# Altium PCB Production_v4.PcbDoc (part 1 of 3)
Units mil, origin at the board's own origin, x right, y up, seen from the top; angles counter-clockwise.
Board outline 7165 x 20545 mil, 4 copper layers (Top Layer, Mid-Layer 1, Mid-Layer 2, Bottom Layer), stack 30.6 mil thick; 72 components, 127 nets, 3500 pads, 124 vias.
Unrouted connection lines stored in the file: 1159.
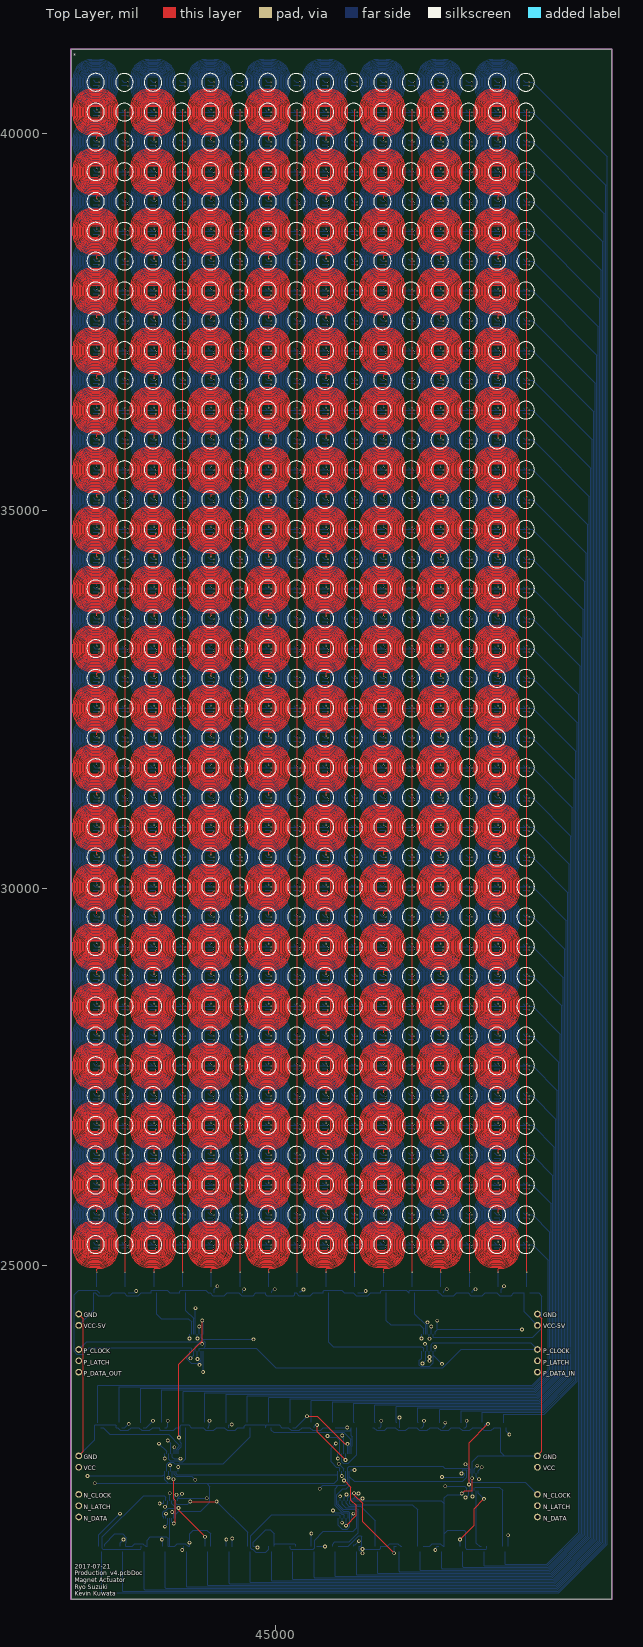
[diagram p0: Top Layer view]
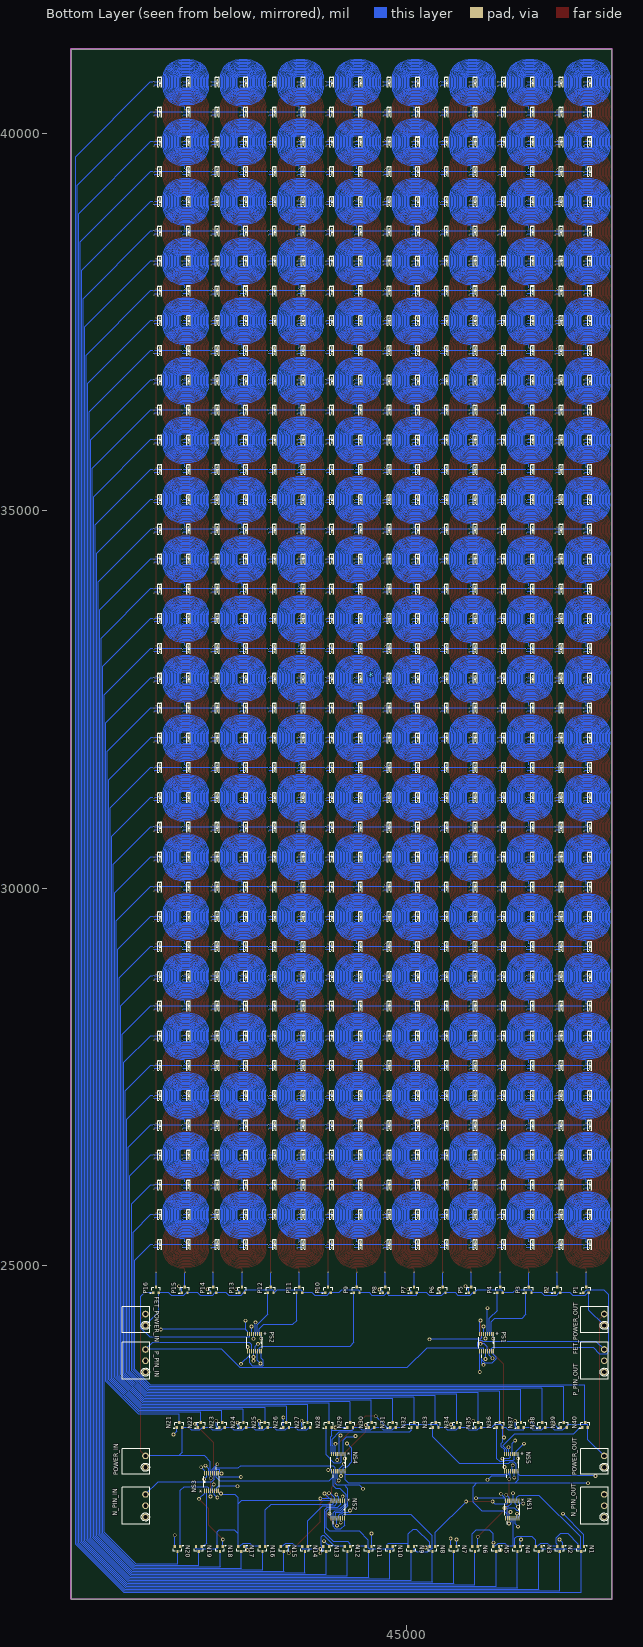
[diagram p1: Bottom Layer view, seen from below]
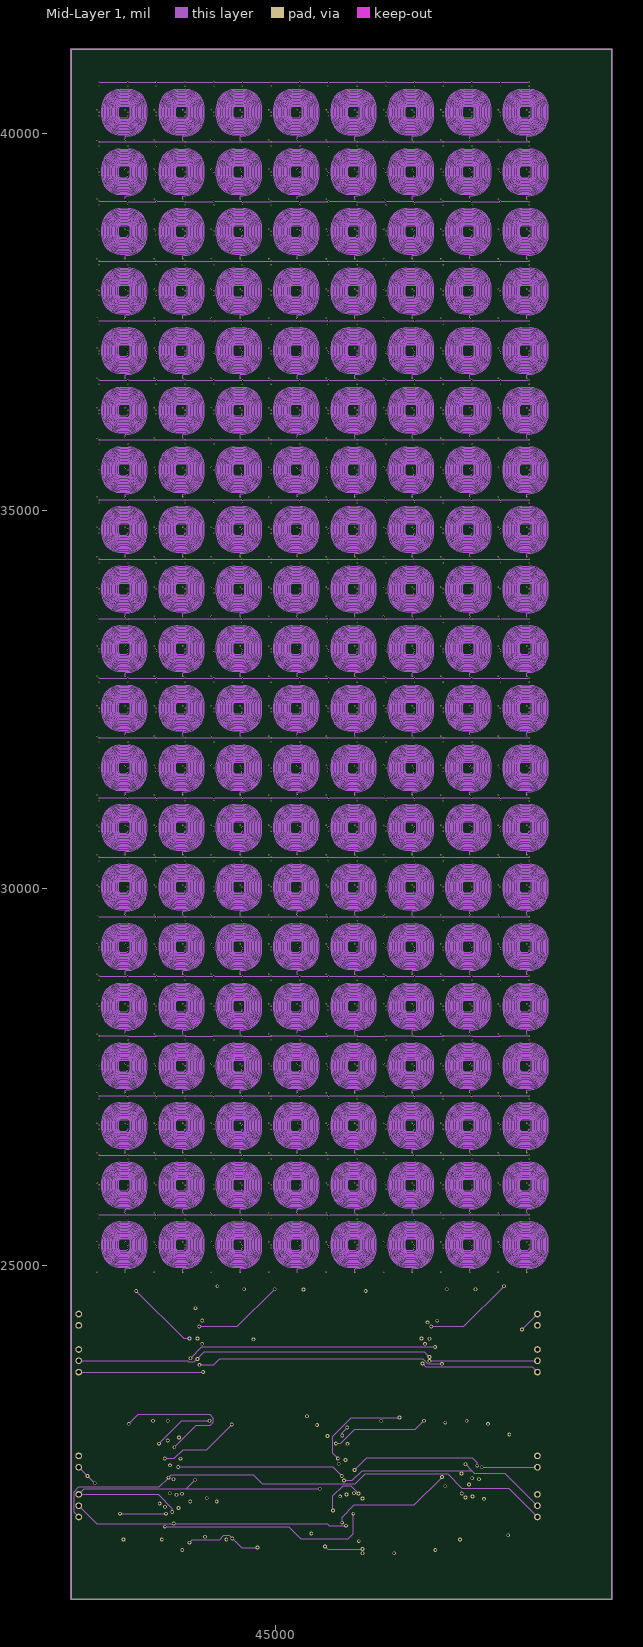
[diagram p2: Mid-Layer 1]
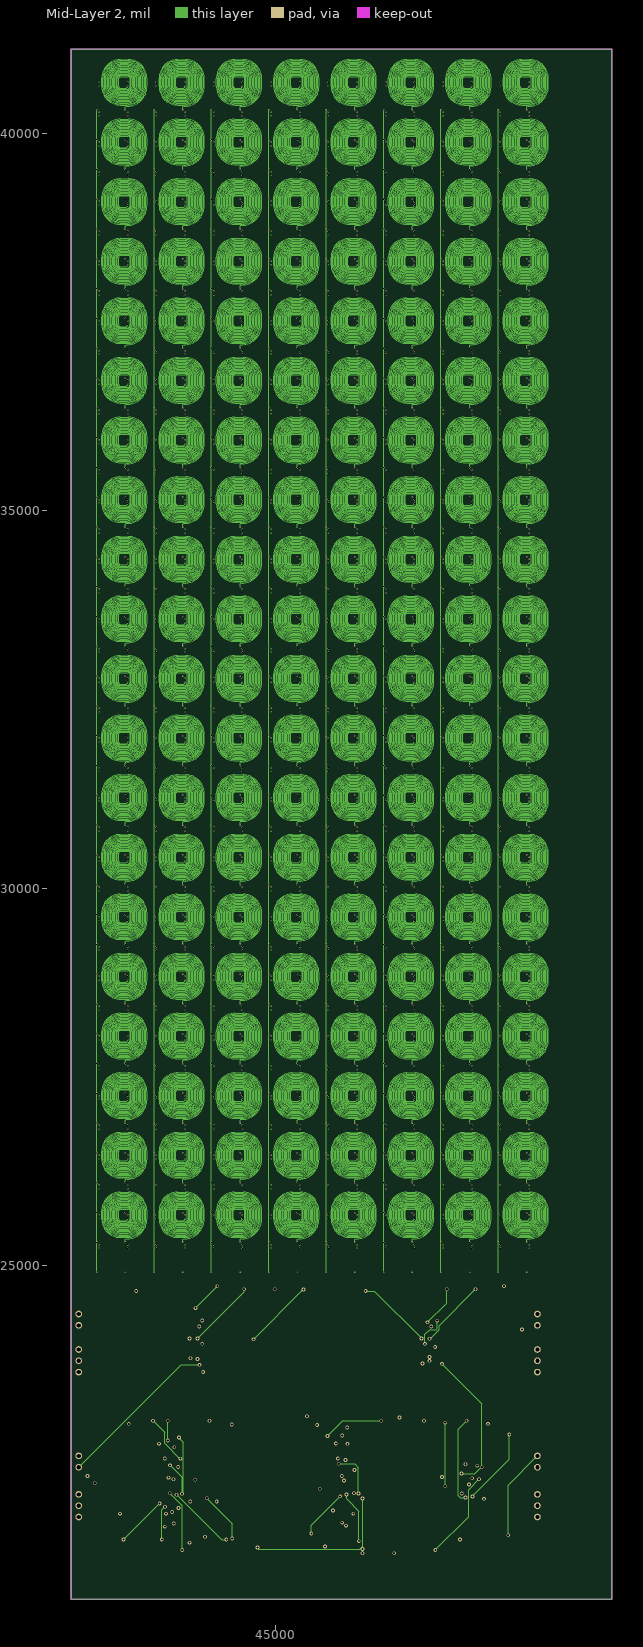
[diagram p3: Mid-Layer 2]

## Layer stack, top to bottom
Top Solder: solder mask 0.4, Solder Resist, Dk 3.5
Top Layer: signal copper 1.4
Dielectric 1: core 10, FR-4, Dk 4.2
Mid-Layer 1: signal copper 1.4
Dielectric3: prepreg 5, FR-4, Dk 4.2
Mid-Layer 2: signal copper 1.4
Dielectric2: core 10, FR-4, Dk 4.2
Bottom Layer: signal copper 1.4
Bottom Solder: solder mask 0.4, Solder Resist, Dk 3.5

## Board outline
49450,20575 49450,41120 42285,41120 42285,20575

## Design rules (kind name [scope] priority, off if disabled: settings)
Clearance [All] p1: gap=10 ignorepadtopadclearanceinfootprint=FALSE except(0: Arc-Hole Track-Hole SMDPad-Hole THPad-Hole Via-Hole Fill-Hole Poly-Hole Region-Hole Text-Hole)
PolygonConnect [All] p1: connectstyle=Relief reliefconductorwidth=10 reliefentries=4 polygonreliefangle="90 Angle" airgapwidth=10
RoutingVias [All] p1: holewidth=28 width=50 viastyle="Through Hole" minholewidth=28 minwidth=50 maxholewidth=28 maxwidth=50
SolderMaskExpansion [All] p1: expansion=4
Width [All] p1: maxlimit=10 minlimit=8 preferedwidth=10
30 further rules are at their usual default settings.

## Classes and differential pairs
component class Top_Layer: * FET_POWER_IN FET_POWER_OUT N_PIN_IN N_PIN_OUT P_PIN_IN P_PIN_OUT POWER_IN POWER_OUT
component class U_P_Shift: PS1 PS2
component class U_P_FET: P1 P2 P3 P4 P5 P6 P7 P8 P9 P10 P11 P12 P13 P14 P15 P16
component class U_N_Shift: NS1 NS2 NS3 NS4 NS5
component class U_N_FET: N1 N2 N3 N4 N5 N6 N7 N8 N9 N10 N11 N12 N13 N14 N15 N16 N17 N18 N19 N20 N21 N22 N23 N24 N25 N26 N27 N28 N29 N30 N31 N32 N33 N34 N35 N36 N37 N38 N39 N40
net class GATE_N[1..40]: GATE_N1 GATE_N2 GATE_N3 GATE_N4 GATE_N5 GATE_N6 GATE_N7 GATE_N8 GATE_N9 GATE_N10 GATE_N11 GATE_N12 GATE_N13 GATE_N14 GATE_N15 GATE_N16 GATE_N17 GATE_N18 GATE_N19 GATE_N20 GATE_N21 GATE_N22 GATE_N23 GATE_N24 GATE_N25 GATE_N26 GATE_N27 GATE_N28 GATE_N29 GATE_N30 GATE_N31 GATE_N32 GATE_N33 GATE_N34 GATE_N35 GATE_N36 GATE_N37 GATE_N38 GATE_N39 GATE_N40
net class GATE_P[1..16]: GATE_P1 GATE_P2 GATE_P3 GATE_P4 GATE_P5 GATE_P6 GATE_P7 GATE_P8 GATE_P9 GATE_P10 GATE_P11 GATE_P12 GATE_P13 GATE_P14 GATE_P15 GATE_P16
net class N[1..40]: N1 N2 N3 N4 N5 N6 N7 N8 N9 N10 N11 N12 N13 N14 N15 N16 N17 N18 N19 N20 N21 N22 N23 N24 N25 N26 N27 N28 N29 N30 N31 N32 N33 N34 N35 N36 N37 N38 N39 N40
net class P[1..16]: P1 P2 P3 P4 P5 P6 P7 P8 P9 P10 P11 P12 P13 P14 P15 P16

## Components (designator, comment, footprint, x,y, rotation, side; value= is the part's Value field where it differs from the comment)
* "Component_1" PCBComponent_1 45430,33255 r0 top
FET_POWER_IN "20020110-D021A01LF" "FCI 06-381-2PIN" 48595,24280 r90 bottom
FET_POWER_OUT "20020110-D021A01LF" "FCI 06-381-2PIN" 42515,24280 r90 bottom
N1 "IRFML8244TRPBF" "INFINEON SOT-23-3" 42690,21240 r270 bottom
N2 "IRFML8244TRPBF" "INFINEON SOT-23-3" 42971.58,21240 r270 bottom
N3 "IRFML8244TRPBF" "INFINEON SOT-23-3" 43253.16,21240 r270 bottom
N4 "IRFML8244TRPBF" "INFINEON SOT-23-3" 43534.74,21240 r270 bottom
N5 "IRFML8244TRPBF" "INFINEON SOT-23-3" 43816.32,21240 r270 bottom
N6 "IRFML8244TRPBF" "INFINEON SOT-23-3" 44097.89,21240 r270 bottom
N7 "IRFML8244TRPBF" "INFINEON SOT-23-3" 44379.47,21240 r270 bottom
N8 "IRFML8244TRPBF" "INFINEON SOT-23-3" 44661.05,21240 r270 bottom
N9 "IRFML8244TRPBF" "INFINEON SOT-23-3" 44942.63,21240 r270 bottom
N10 "IRFML8244TRPBF" "INFINEON SOT-23-3" 45224.21,21240 r270 bottom
N11 "IRFML8244TRPBF" "INFINEON SOT-23-3" 45505.79,21240 r270 bottom
N12 "IRFML8244TRPBF" "INFINEON SOT-23-3" 45787.37,21240 r270 bottom
N13 "IRFML8244TRPBF" "INFINEON SOT-23-3" 46068.95,21240 r270 bottom
N14 "IRFML8244TRPBF" "INFINEON SOT-23-3" 46350.53,21240 r270 bottom
N15 "IRFML8244TRPBF" "INFINEON SOT-23-3" 46632.1,21240 r270 bottom
N16 "IRFML8244TRPBF" "INFINEON SOT-23-3" 46913.68,21240 r270 bottom
N17 "IRFML8244TRPBF" "INFINEON SOT-23-3" 47195.26,21240 r270 bottom
N18 "IRFML8244TRPBF" "INFINEON SOT-23-3" 47476.84,21240 r270 bottom
N19 "IRFML8244TRPBF" "INFINEON SOT-23-3" 47758.42,21240 r270 bottom
N20 "IRFML8244TRPBF" "INFINEON SOT-23-3" 48040,21240 r270 bottom
N21 "IRFML8244TRPBF" "INFINEON SOT-23-3" 48015.21,22885 r90 bottom
N22 "IRFML8244TRPBF" "INFINEON SOT-23-3" 47732.19,22885 r90 bottom
N23 "IRFML8244TRPBF" "INFINEON SOT-23-3" 47449.17,22885 r90 bottom
N24 "IRFML8244TRPBF" "INFINEON SOT-23-3" 47166.15,22885 r90 bottom
N25 "IRFML8244TRPBF" "INFINEON SOT-23-3" 46883.13,22885 r90 bottom
N26 "IRFML8244TRPBF" "INFINEON SOT-23-3" 46600.11,22885 r90 bottom
N27 "IRFML8244TRPBF" "INFINEON SOT-23-3" 46317.08,22885 r90 bottom
N28 "IRFML8244TRPBF" "INFINEON SOT-23-3" 46034.06,22885 r90 bottom
N29 "IRFML8244TRPBF" "INFINEON SOT-23-3" 45751.04,22885 r90 bottom
N30 "IRFML8244TRPBF" "INFINEON SOT-23-3" 45468.02,22885 r90 bottom
N31 "IRFML8244TRPBF" "INFINEON SOT-23-3" 45185,22885 r90 bottom
N32 "IRFML8244TRPBF" "INFINEON SOT-23-3" 44901.98,22885 r90 bottom
N33 "IRFML8244TRPBF" "INFINEON SOT-23-3" 44618.96,22885 r90 bottom
N34 "IRFML8244TRPBF" "INFINEON SOT-23-3" 44335.94,22885 r90 bottom
N35 "IRFML8244TRPBF" "INFINEON SOT-23-3" 44052.92,22885 r90 bottom
N36 "IRFML8244TRPBF" "INFINEON SOT-23-3" 43769.89,22885 r90 bottom
N37 "IRFML8244TRPBF" "INFINEON SOT-23-3" 43486.87,22885 r90 bottom
N38 "IRFML8244TRPBF" "INFINEON SOT-23-3" 43203.85,22885 r90 bottom
N39 "IRFML8244TRPBF" "INFINEON SOT-23-3" 42920.83,22885 r90 bottom
N40 "IRFML8244TRPBF" "INFINEON SOT-23-3" 42637.81,22885 r90 bottom
N_PIN_IN "20020110-D031A01LF" "FCI 06-381-3PIN" 48595,21815 r90 bottom
N_PIN_OUT "20020110-D031A01LF" "FCI 06-381-3PIN" 42515,21815 r90 bottom
NS1 "74HC595PW,118" SOP65P640X110-16N 43605,21765 r270 bottom
NS2 "74HC595PW,118" SOP65P640X110-16N 45915,21765 r270 bottom
NS3 "74HC595PW,118" SOP65P640X110-16N 47590,22130 r90 bottom
NS4 "74HC595PW,118" SOP65P640X110-16N 45910,22385 r270 bottom
NS5 "74HC595PW,118" SOP65P640X110-16N 43615,22385 r270 bottom
P1 "NTR4171PT1G" "ON SEMI SOT-23-3" 42625,24675 r90 bottom
P2 "NTR4171PT1G" "ON SEMI SOT-23-3" 43005,24675 r90 bottom
P3 "NTR4171PT1G" "ON SEMI SOT-23-3" 43385,24675 r90 bottom
P4 "NTR4171PT1G" "ON SEMI SOT-23-3" 43765,24675 r90 bottom
P5 "NTR4171PT1G" "ON SEMI SOT-23-3" 44145,24675 r90 bottom
P6 "NTR4171PT1G" "ON SEMI SOT-23-3" 44525,24675 r90 bottom
P7 "NTR4171PT1G" "ON SEMI SOT-23-3" 44905,24675 r90 bottom
P8 "NTR4171PT1G" "ON SEMI SOT-23-3" 45285,24675 r90 bottom
P9 "NTR4171PT1G" "ON SEMI SOT-23-3" 45665,24675 r90 bottom
P10 "NTR4171PT1G" "ON SEMI SOT-23-3" 46045,24675 r90 bottom
P11 "NTR4171PT1G" "ON SEMI SOT-23-3" 46425,24675 r90 bottom
P12 "NTR4171PT1G" "ON SEMI SOT-23-3" 46805,24675 r90 bottom
P13 "NTR4171PT1G" "ON SEMI SOT-23-3" 47185,24675 r90 bottom
P14 "NTR4171PT1G" "ON SEMI SOT-23-3" 47565,24675 r90 bottom
P15 "NTR4171PT1G" "ON SEMI SOT-23-3" 47945,24675 r90 bottom
P16 "NTR4171PT1G" "ON SEMI SOT-23-3" 48325,24675 r90 bottom
P_PIN_IN "20020110-D031A01LF" "FCI 06-381-3PIN" 48595,23735 r90 bottom
P_PIN_OUT "20020110-D031A01LF" "FCI 06-381-3PIN" 42515,23735 r90 bottom
POWER_IN "20020110-D021A01LF" "FCI 06-381-2PIN" 48595,22400 r90 bottom
POWER_OUT "20020110-D021A01LF" "FCI 06-381-2PIN" 42515,22400 r90 bottom
PS1 "74HC595PW,118" SOP65P640X110-16N 43945,23975 r270 bottom
PS2 "74HC595PW,118" SOP65P640X110-16N 47020,23975 r270 bottom

## Footprints (in the part's own frame and the unit in brackets; to place one, negate y for a bottom-side part, rotate by r counter-clockwise, add the part's x,y. Pads: shape width x height; smd on the part's side, far side on the other; paste and mask are expansions set on the pad)
"FCI 06-381-2PIN" [mm] "FCI Pluggable Terminal Block"
  round 2.25 hole 1.4: 1(-1.905,-3.302) 2(1.905,-3.302)
  silkscreen extent -4.32,-4.7 4.32,4.57, body extent -4.4,-4.7 4.41,4.5, height 7.6
"FCI 06-381-3PIN" [mm] "FCI Pluggable Terminal Block"
  round 2.25 hole 1.4: 1(-3.81,-3.302) 2(0,-3.302) 3(3.81,-3.302)
  silkscreen extent -6.22,-4.7 6.22,4.57, body extent -6.31,-4.7 6.31,4.5, height 7.6
"INFINEON SOT-23-3" [mm] "SOT23, 3-Leads, Body 2.90x2.40mm, Pitch 0.95mm, IPC Medium Density"
  rect 0.972x0.802 smd: 1(-0.885,0.95) 2(0.885,0) 3(-0.885,-0.95)
  silkscreen extent -1.27,-1.5 0.7,1.95, body extent -1.16,-1.45 1.16,1.45, height 1
"ON SEMI SOT-23-3" [mm] "SOT23, 3-Leads, Body 2.90x2.40mm, Pitch 0.95mm, IPC Medium Density"
  rect 0.9x0.8 smd: 1(-1,0.95) 2(1,0) 3(-1,-0.95)
  silkscreen extent -1.27,-1.5 0.7,1.95, body extent -1.16,-1.45 1.16,1.45, height 1
PCBComponent_1 [mil]
  rect 19.68x31.5 smd far side: 1(-2855,-8020) 1(-2855,-7625) 1(-2855,-7230) 1(-2855,-6835) 1(-2855,-6440) 1(-2855,-6045) 1(-2855,-5650) 1(-2855,-5255) 1(-2855,-4860) 1(-2855,-4465) 1(-2855,-4070) 1(-2855,-3675) 1(-2855,-3280) 1(-2855,-2885) 1(-2855,-2490) 1(-2855,-2095) 1(-2855,-1700) 1(-2855,-1305) 1(-2855,-910) 1(-2855,-515) 1(-2855,-120) 1(-2855,275) 1(-2855,670) 1(-2855,1065) 1(-2855,1460) 1(-2855,1855) 1(-2855,2250) 1(-2855,2645) 1(-2855,3040) 1(-2855,3435) 1(-2855,3830) 1(-2855,4225) 1(-2855,4620.43) 1(-2855,5015.43) 1(-2855,5410.43) 1(-2855,5805.43) 1(-2855,6200.43) 1(-2855,6595.43) 1(-2855,6990.43) 1(-2855,7385.43) 1(-2475,-8020.43) 1(-2475,-7625.43) 1(-2475,-7230.43) 1(-2475,-6835.43) 1(-2475,-6440.43) 1(-2475,-6045.43) 1(-2475,-5650.43) 1(-2475,-5255.43) 1(-2475,-4860.43) 1(-2475,-4465.43) 1(-2475,-4070.43) 1(-2475,-3675.43) 1(-2475,-3280.43) 1(-2475,-2885.43) 1(-2475,-2490.43) 1(-2475,-2095.43) 1(-2475,-1700.43) 1(-2475,-1305.43) 1(-2475,-910.43) 1(-2475,-515.43) 1(-2475,-120.43) 1(-2475,274.57) 1(-2475,669.57) 1(-2475,1064.57) 1(-2475,1459.57) 1(-2475,1854.57) 1(-2475,2249.57) 1(-2475,2644.57) 1(-2475,3039.57) 1(-2475,3434.57) 1(-2475,3829.57) 1(-2475,4224.57) 1(-2475,4619.57) 1(-2475,5014.57) 1(-2475,5409.57) 1(-2475,5804.57) 1(-2475,6199.57) 1(-2475,6594.57) 1(-2475,6989.57) 1(-2475,7384.57) 1(-2095,-8020) 1(-2095,-7625) 1(-2095,-7230) 1(-2095,-6835) 1(-2095,-6440) 1(-2095,-6045) 1(-2095,-5650) 1(-2095,-5255) 1(-2095,-4860) 1(-2095,-4465) 1(-2095,-4070) 1(-2095,-3675) 1(-2095,-3280) 1(-2095,-2885) 1(-2095,-2490) 1(-2095,-2095) 1(-2095,-1700) 1(-2095,-1305) 1(-2095,-910) 1(-2095,-515) 1(-2095,-120) 1(-2095,275) 1(-2095,670) 1(-2095,1065) 1(-2095,1460) 1(-2095,1855) 1(-2095,2250) 1(-2095,2645) 1(-2095,3040) 1(-2095,3435) 1(-2095,3830) 1(-2095,4225) 1(-2095,4620.43) 1(-2095,5015.43) 1(-2095,5410.43) 1(-2095,5805.43) 1(-2095,6200.43) 1(-2095,6595.43) 1(-2095,6990.43) 1(-2095,7385.43) 1(-1715,-8020.43) 1(-1715,-7625.43) 1(-1715,-7230.43) 1(-1715,-6835.43) 1(-1715,-6440.43) 1(-1715,-6045.43) 1(-1715,-5650.43) 1(-1715,-5255.43) 1(-1715,-4860.43) 1(-1715,-4465.43) 1(-1715,-4070.43) 1(-1715,-3675.43) 1(-1715,-3280.43) 1(-1715,-2885.43) 1(-1715,-2490.43) 1(-1715,-2095.43) 1(-1715,-1700.43) 1(-1715,-1305.43) 1(-1715,-910.43) 1(-1715,-515.43) 1(-1715,-120.43) 1(-1715,274.57) 1(-1715,669.57) 1(-1715,1064.57) 1(-1715,1459.57) 1(-1715,1854.57) 1(-1715,2249.57) 1(-1715,2644.57) 1(-1715,3039.57) 1(-1715,3434.57) 1(-1715,3829.57) 1(-1715,4224.57) 1(-1715,4619.57) 1(-1715,5014.57) 1(-1715,5409.57) 1(-1715,5804.57) 1(-1715,6199.57) 1(-1715,6594.57) 1(-1715,6989.57) 1(-1715,7384.57) 1(-1335,-8020) 1(-1335,-7625) 1(-1335,-7230) 1(-1335,-6835) 1(-1335,-6440) 1(-1335,-6045) 1(-1335,-5650) 1(-1335,-5255) 1(-1335,-4860) 1(-1335,-4465) 1(-1335,-4070) 1(-1335,-3675) 1(-1335,-3280) 1(-1335,-2885) 1(-1335,-2490) 1(-1335,-2095) 1(-1335,-1700) 1(-1335,-1305) 1(-1335,-910) 1(-1335,-515) 1(-1335,-120) 1(-1335,275) 1(-1335,670) 1(-1335,1065) 1(-1335,1460) 1(-1335,1855) 1(-1335,2250) 1(-1335,2645) 1(-1335,3040) 1(-1335,3435) 1(-1335,3830) 1(-1335,4225) 1(-1335,4620.43) 1(-1335,5015.43) 1(-1335,5410.43) 1(-1335,5805.43) 1(-1335,6200.43) 1(-1335,6595.43) 1(-1335,6990.43) 1(-1335,7385.43) 1(-955,-8020.43) 1(-955,-7625.43) 1(-955,-7230.43) 1(-955,-6835.43) 1(-955,-6440.43) 1(-955,-6045.43) 1(-955,-5650.43) 1(-955,-5255.43) 1(-955,-4860.43) 1(-955,-4465.43) 1(-955,-4070.43) 1(-955,-3675.43) 1(-955,-3280.43) 1(-955,-2885.43) 1(-955,-2490.43) 1(-955,-2095.43) 1(-955,-1700.43) 1(-955,-1305.43) 1(-955,-910.43) 1(-955,-515.43) 1(-955,-120.43) 1(-955,274.57) 1(-955,669.57) 1(-955,1064.57) 1(-955,1459.57) 1(-955,1854.57) 1(-955,2249.57) 1(-955,2644.57) 1(-955,3039.57) 1(-955,3434.57) 1(-955,3829.57) 1(-955,4224.57) 1(-955,4619.57) 1(-955,5014.57) 1(-955,5409.57) 1(-955,5804.57) 1(-955,6199.57) 1(-955,6594.57) 1(-955,6989.57) 1(-955,7384.57) 1(-575,-8020) 1(-575,-7625) 1(-575,-7230) 1(-575,-6835) 1(-575,-6440) 1(-575,-6045) 1(-575,-5650) 1(-575,-5255) 1(-575,-4860) 1(-575,-4465) 1(-575,-4070) 1(-575,-3675) 1(-575,-3280) 1(-575,-2885) 1(-575,-2490) 1(-575,-2095) 1(-575,-1700) 1(-575,-1305) 1(-575,-910) 1(-575,-515) 1(-575,-120) 1(-575,275) 1(-575,670) 1(-575,1065) 1(-575,1460) 1(-575,1855) 1(-575,2250) 1(-575,2645) 1(-575,3040) 1(-575,3435) 1(-575,3830) 1(-575,4225) 1(-575,4620.43) 1(-575,5015.43) 1(-575,5410.43) 1(-575,5805.43) 1(-575,6200.43) 1(-575,6595.43) 1(-575,6990.43) 1(-575,7385.43) 1(-195,-8020.43) 1(-195,-7625.43) 1(-195,-7230.43) 1(-195,-6835.43) 1(-195,-6440.43) 1(-195,-6045.43) 1(-195,-5650.43) 1(-195,-5255.43) 1(-195,-4860.43) 1(-195,-4465.43) 1(-195,-4070.43) 1(-195,-3675.43) 1(-195,-3280.43) 1(-195,-2885.43) 1(-195,-2490.43) 1(-195,-2095.43) 1(-195,-1700.43) 1(-195,-1305.43) 1(-195,-910.43) 1(-195,-515.43) 1(-195,-120.43) 1(-195,274.57) 1(-195,669.57) 1(-195,1064.57) 1(-195,1459.57) 1(-195,1854.57) 1(-195,2249.57) 1(-195,2644.57) 1(-195,3039.57) 1(-195,3434.57) 1(-195,3829.57) 1(-195,4224.57) 1(-195,4619.57) 1(-195,5014.57) 1(-195,5409.57) 1(-195,5804.57) 1(-195,6199.57) 1(-195,6594.57) 1(-195,6989.57) 1(-195,7384.57) 1(185,-8020) 1(185,-7625) 1(185,-7230) 1(185,-6835) 1(185,-6440) 1(185,-6045) 1(185,-5650) 1(185,-5255) 1(185,-4860) 1(185,-4465) 1(185,-4070) 1(185,-3675) 1(185,-3280) 1(185,-2885) 1(185,-2490) 1(185,-2095) 1(185,-1700) 1(185,-1305) 1(185,-910) 1(185,-515) 1(185,-120) 1(185,275) 1(185,670) 1(185,1065) 1(185,1460) 1(185,1855) 1(185,2250) 1(185,2645) 1(185,3040) 1(185,3435) 1(185,3830) 1(185,4225) 1(185,4620.43) 1(185,5015.43) 1(185,5410.43) 1(185,5805.43) 1(185,6200.43) 1(185,6595.43) 1(185,6990.43) 1(185,7385.43) 1(565,-8020.43) 1(565,-7625.43) 1(565,-7230.43) 1(565,-6835.43) 1(565,-6440.43) 1(565,-6045.43) 1(565,-5650.43) 1(565,-5255.43) 1(565,-4860.43) 1(565,-4465.43) 1(565,-4070.43) 1(565,-3675.43) 1(565,-3280.43) 1(565,-2885.43) 1(565,-2490.43) 1(565,-2095.43) 1(565,-1700.43) 1(565,-1305.43) 1(565,-910.43) 1(565,-515.43) 1(565,-120.43) 1(565,274.57) 1(565,669.57) 1(565,1064.57) 1(565,1459.57) 1(565,1854.57) 1(565,2249.57) 1(565,2644.57) 1(565,3039.57) 1(565,3434.57) 1(565,3829.57) 1(565,4224.57) 1(565,4619.57) 1(565,5014.57) 1(565,5409.57) 1(565,5804.57) 1(565,6199.57) 1(565,6594.57) 1(565,6989.57) 1(565,7384.57) 1(945,-8020) 1(945,-7625) 1(945,-7230) 1(945,-6835) 1(945,-6440) 1(945,-6045) 1(945,-5650) 1(945,-5255) 1(945,-4860) 1(945,-4465) 1(945,-4070) 1(945,-3675) 1(945,-3280) 1(945,-2885) 1(945,-2490) 1(945,-2095) 1(945,-1700) 1(945,-1305) 1(945,-910) 1(945,-515) 1(945,-120) 1(945,275) 1(945,670) 1(945,1065) 1(945,1460) 1(945,1855) 1(945,2250) 1(945,2645) 1(945,3040) 1(945,3435) 1(945,3830) 1(945,4225) 1(945,4620.43) 1(945,5015.43) 1(945,5410.43) 1(945,5805.43) 1(945,6200.43) 1(945,6595.43) 1(945,6990.43) 1(945,7385.43) 1(1325,-8020.43) 1(1325,-7625.43) 1(1325,-7230.43) 1(1325,-6835.43) 1(1325,-6440.43) 1(1325,-6045.43) 1(1325,-5650.43) 1(1325,-5255.43) 1(1325,-4860.43) 1(1325,-4465.43) 1(1325,-4070.43) 1(1325,-3675.43) 1(1325,-3280.43) 1(1325,-2885.43) 1(1325,-2490.43) 1(1325,-2095.43) 1(1325,-1700.43) 1(1325,-1305.43) 1(1325,-910.43) 1(1325,-515.43) 1(1325,-120.43) 1(1325,274.57) 1(1325,669.57) 1(1325,1064.57) 1(1325,1459.57) 1(1325,1854.57) 1(1325,2249.57) 1(1325,2644.57) 1(1325,3039.57) 1(1325,3434.57) 1(1325,3829.57) 1(1325,4224.57) 1(1325,4619.57) 1(1325,5014.57) 1(1325,5409.57) 1(1325,5804.57) 1(1325,6199.57) 1(1325,6594.57) 1(1325,6989.57) 1(1325,7384.57) 1(1705,-8020) 1(1705,-7625) 1(1705,-7230) 1(1705,-6835) 1(1705,-6440) 1(1705,-6045) 1(1705,-5650) 1(1705,-5255) 1(1705,-4860) 1(1705,-4465) 1(1705,-4070) 1(1705,-3675) 1(1705,-3280) 1(1705,-2885) 1(1705,-2490) 1(1705,-2095) 1(1705,-1700) 1(1705,-1305) 1(1705,-910) 1(1705,-515) 1(1705,-120) 1(1705,275) 1(1705,670) 1(1705,1065) 1(1705,1460) 1(1705,1855) 1(1705,2250) 1(1705,2645) 1(1705,3040) 1(1705,3435) 1(1705,3830) 1(1705,4225) 1(1705,4620.43) 1(1705,5015.43) 1(1705,5410.43) 1(1705,5805.43) 1(1705,6200.43) 1(1705,6595.43) 1(1705,6990.43) 1(1705,7385.43) 1(2085,-8020.43) 1(2085,-7625.43) 1(2085,-7230.43) 1(2085,-6835.43) 1(2085,-6440.43) 1(2085,-6045.43) 1(2085,-5650.43) 1(2085,-5255.43) 1(2085,-4860.43) 1(2085,-4465.43) 1(2085,-4070.43) 1(2085,-3675.43) 1(2085,-3280.43) 1(2085,-2885.43) 1(2085,-2490.43) 1(2085,-2095.43) 1(2085,-1700.43) 1(2085,-1305.43) 1(2085,-910.43) 1(2085,-515.43) 1(2085,-120.43) 1(2085,274.57) 1(2085,669.57) 1(2085,1064.57) 1(2085,1459.57) 1(2085,1854.57) 1(2085,2249.57) 1(2085,2644.57) 1(2085,3039.57) 1(2085,3434.57) 1(2085,3829.57) 1(2085,4224.57) 1(2085,4619.57) 1(2085,5014.57) 1(2085,5409.57) 1(2085,5804.57) 1(2085,6199.57) 1(2085,6594.57) 1(2085,6989.57) 1(2085,7384.57) 1(2465,-8020) 1(2465,-7625) 1(2465,-7230) 1(2465,-6835) 1(2465,-6440) 1(2465,-6045) 1(2465,-5650) 1(2465,-5255) 1(2465,-4860) 1(2465,-4465) 1(2465,-4070) 1(2465,-3675) 1(2465,-3280) 1(2465,-2885) 1(2465,-2490) 1(2465,-2095) 1(2465,-1700) 1(2465,-1305) 1(2465,-910) 1(2465,-515) 1(2465,-120) 1(2465,275) 1(2465,670) 1(2465,1065) 1(2465,1460) 1(2465,1855) 1(2465,2250) 1(2465,2645) 1(2465,3040) 1(2465,3435) 1(2465,3830) 1(2465,4225) 1(2465,4620.43) 1(2465,5015.43) 1(2465,5410.43) 1(2465,5805.43) 1(2465,6200.43) 1(2465,6595.43) 1(2465,6990.43) 1(2465,7385.43) 1(2845,-8020.43) 1(2845,-7625.43) 1(2845,-7230.43) 1(2845,-6835.43) 1(2845,-6440.43) 1(2845,-6045.43) 1(2845,-5650.43) 1(2845,-5255.43) 1(2845,-4860.43) 1(2845,-4465.43) 1(2845,-4070.43) 1(2845,-3675.43) 1(2845,-3280.43) 1(2845,-2885.43) 1(2845,-2490.43) 1(2845,-2095.43) 1(2845,-1700.43) 1(2845,-1305.43) 1(2845,-910.43) 1(2845,-515.43) 1(2845,-120.43) 1(2845,274.57) 1(2845,669.57) 1(2845,1064.57) 1(2845,1459.57) 1(2845,1854.57) 1(2845,2249.57) 1(2845,2644.57) 1(2845,3039.57) 1(2845,3434.57) 1(2845,3829.57) 1(2845,4224.57) 1(2845,4619.57) 1(2845,5014.57) 1(2845,5409.57) 1(2845,5804.57) 1(2845,6199.57) 1(2845,6594.57) 1(2845,6989.57) 1(2845,7384.57) 2(-2855,-7949.13) 2(-2855,-7554.13) 2(-2855,-7159.13) 2(-2855,-6764.13) 2(-2855,-6369.13) 2(-2855,-5974.13) 2(-2855,-5579.13) 2(-2855,-5184.13) 2(-2855,-4789.13) 2(-2855,-4394.13) 2(-2855,-3999.13) 2(-2855,-3604.13) 2(-2855,-3209.13) 2(-2855,-2814.13) 2(-2855,-2419.13) 2(-2855,-2024.13) 2(-2855,-1629.13) 2(-2855,-1234.13) 2(-2855,-839.13) 2(-2855,-444.13) 2(-2855,-49.13) 2(-2855,345.87) 2(-2855,740.87) 2(-2855,1135.87) 2(-2855,1530.87) 2(-2855,1925.87) 2(-2855,2320.87) 2(-2855,2715.87) 2(-2855,3110.87) 2(-2855,3505.87) 2(-2855,3900.87) 2(-2855,4295.87) 2(-2855,4691.3) 2(-2855,5086.3) 2(-2855,5481.3) 2(-2855,5876.3) 2(-2855,6271.3) 2(-2855,6666.3) 2(-2855,7061.3) 2(-2855,7456.3) 2(-2475,-7949.57) 2(-2475,-7554.57) 2(-2475,-7159.57) 2(-2475,-6764.57) 2(-2475,-6369.57) 2(-2475,-5974.57) 2(-2475,-5579.57) 2(-2475,-5184.57) 2(-2475,-4789.57) 2(-2475,-4394.57) 2(-2475,-3999.57) 2(-2475,-3604.57) 2(-2475,-3209.57) 2(-2475,-2814.57) 2(-2475,-2419.57) 2(-2475,-2024.57) 2(-2475,-1629.57) 2(-2475,-1234.57) 2(-2475,-839.57) 2(-2475,-444.57) 2(-2475,-49.57) 2(-2475,345.43) 2(-2475,740.43) 2(-2475,1135.43) 2(-2475,1530.43) 2(-2475,1925.43) 2(-2475,2320.43) 2(-2475,2715.43) 2(-2475,3110.43) 2(-2475,3505.43) 2(-2475,3900.43) 2(-2475,4295.43) 2(-2475,4690.43) 2(-2475,5085.43) 2(-2475,5480.43) 2(-2475,5875.43) 2(-2475,6270.43) 2(-2475,6665.43) 2(-2475,7060.43) 2(-2475,7455.43) 2(-2095,-7949.13) 2(-2095,-7554.13) 2(-2095,-7159.13) 2(-2095,-6764.13) 2(-2095,-6369.13) 2(-2095,-5974.13) 2(-2095,-5579.13) 2(-2095,-5184.13) 2(-2095,-4789.13) 2(-2095,-4394.13) 2(-2095,-3999.13) 2(-2095,-3604.13) 2(-2095,-3209.13) 2(-2095,-2814.13) 2(-2095,-2419.13) 2(-2095,-2024.13) 2(-2095,-1629.13) 2(-2095,-1234.13) 2(-2095,-839.13) 2(-2095,-444.13) 2(-2095,-49.13) 2(-2095,345.87) 2(-2095,740.87) 2(-2095,1135.87) 2(-2095,1530.87) 2(-2095,1925.87) 2(-2095,2320.87) 2(-2095,2715.87) 2(-2095,3110.87) 2(-2095,3505.87) 2(-2095,3900.87) 2(-2095,4295.87) 2(-2095,4691.3) 2(-2095,5086.3) 2(-2095,5481.3) 2(-2095,5876.3) 2(-2095,6271.3) 2(-2095,6666.3) 2(-2095,7061.3) 2(-2095,7456.3) 2(-1715,-7949.57) 2(-1715,-7554.57) 2(-1715,-7159.57) 2(-1715,-6764.57) 2(-1715,-6369.57) 2(-1715,-5974.57) 2(-1715,-5579.57) 2(-1715,-5184.57) 2(-1715,-4789.57) 2(-1715,-4394.57) 2(-1715,-3999.57) 2(-1715,-3604.57) 2(-1715,-3209.57) 2(-1715,-2814.57) 2(-1715,-2419.57) 2(-1715,-2024.57) 2(-1715,-1629.57) 2(-1715,-1234.57) 2(-1715,-839.57) 2(-1715,-444.57) 2(-1715,-49.57) 2(-1715,345.43) 2(-1715,740.43) 2(-1715,1135.43) 2(-1715,1530.43) 2(-1715,1925.43) 2(-1715,2320.43) 2(-1715,2715.43) 2(-1715,3110.43) 2(-1715,3505.43) 2(-1715,3900.43) 2(-1715,4295.43) 2(-1715,4690.43) 2(-1715,5085.43) 2(-1715,5480.43) 2(-1715,5875.43) 2(-1715,6270.43) 2(-1715,6665.43) 2(-1715,7060.43) 2(-1715,7455.43) 2(-1335,-7949.13) 2(-1335,-7554.13) 2(-1335,-7159.13) 2(-1335,-6764.13) 2(-1335,-6369.13) 2(-1335,-5974.13) 2(-1335,-5579.13) 2(-1335,-5184.13) 2(-1335,-4789.13) 2(-1335,-4394.13) 2(-1335,-3999.13) 2(-1335,-3604.13) 2(-1335,-3209.13) 2(-1335,-2814.13) 2(-1335,-2419.13) 2(-1335,-2024.13) 2(-1335,-1629.13) 2(-1335,-1234.13) 2(-1335,-839.13) 2(-1335,-444.13) 2(-1335,-49.13) 2(-1335,345.87) 2(-1335,740.87) 2(-1335,1135.87) 2(-1335,1530.87) 2(-1335,1925.87) 2(-1335,2320.87) 2(-1335,2715.87) 2(-1335,3110.87) 2(-1335,3505.87) 2(-1335,3900.87) 2(-1335,4295.87) 2(-1335,4691.3) 2(-1335,5086.3) 2(-1335,5481.3) 2(-1335,5876.3) 2(-1335,6271.3) 2(-1335,6666.3) 2(-1335,7061.3) 2(-1335,7456.3) 2(-955,-7949.57) 2(-955,-7554.57) 2(-955,-7159.57) 2(-955,-6764.57) 2(-955,-6369.57) 2(-955,-5974.57) 2(-955,-5579.57) 2(-955,-5184.57) 2(-955,-4789.57) 2(-955,-4394.57) 2(-955,-3999.57) 2(-955,-3604.57) 2(-955,-3209.57) 2(-955,-2814.57) 2(-955,-2419.57) 2(-955,-2024.57) 2(-955,-1629.57) 2(-955,-1234.57) 2(-955,-839.57) 2(-955,-444.57) 2(-955,-49.57) 2(-955,345.43) 2(-955,740.43) 2(-955,1135.43) 2(-955,1530.43) 2(-955,1925.43) 2(-955,2320.43) 2(-955,2715.43) 2(-955,3110.43) 2(-955,3505.43) 2(-955,3900.43) 2(-955,4295.43) 2(-955,4690.43) 2(-955,5085.43) 2(-955,5480.43) 2(-955,5875.43) 2(-955,6270.43) 2(-955,6665.43) 2(-955,7060.43) 2(-955,7455.43) 2(-575,-7949.13) 2(-575,-7554.13) 2(-575,-7159.13) 2(-575,-6764.13) 2(-575,-6369.13) 2(-575,-5974.13) 2(-575,-5579.13) 2(-575,-5184.13) 2(-575,-4789.13) 2(-575,-4394.13) 2(-575,-3999.13) 2(-575,-3604.13) 2(-575,-3209.13) 2(-575,-2814.13) 2(-575,-2419.13) 2(-575,-2024.13) 2(-575,-1629.13) 2(-575,-1234.13) 2(-575,-839.13) 2(-575,-444.13) 2(-575,-49.13) 2(-575,345.87) 2(-575,740.87) 2(-575,1135.87) 2(-575,1530.87) 2(-575,1925.87) 2(-575,2320.87) 2(-575,2715.87) 2(-575,3110.87) 2(-575,3505.87) 2(-575,3900.87) 2(-575,4295.87) 2(-575,4691.3) 2(-575,5086.3) 2(-575,5481.3) 2(-575,5876.3) 2(-575,6271.3) 2(-575,6666.3) 2(-575,7061.3) 2(-575,7456.3) 2(-195,-7949.57) 2(-195,-7554.57) 2(-195,-7159.57) 2(-195,-6764.57) 2(-195,-6369.57) 2(-195,-5974.57) 2(-195,-5579.57) 2(-195,-5184.57) 2(-195,-4789.57) 2(-195,-4394.57) 2(-195,-3999.57) 2(-195,-3604.57) 2(-195,-3209.57) 2(-195,-2814.57) 2(-195,-2419.57) 2(-195,-2024.57) 2(-195,-1629.57) 2(-195,-1234.57) 2(-195,-839.57) 2(-195,-444.57) 2(-195,-49.57) 2(-195,345.43) 2(-195,740.43) 2(-195,1135.43) 2(-195,1530.43) 2(-195,1925.43) 2(-195,2320.43) 2(-195,2715.43) 2(-195,3110.43) 2(-195,3505.43) 2(-195,3900.43) 2(-195,4295.43) 2(-195,4690.43) 2(-195,5085.43) 2(-195,5480.43) 2(-195,5875.43) 2(-195,6270.43) 2(-195,6665.43) 2(-195,7060.43) 2(-195,7455.43) 2(185,-7949.13) 2(185,-7554.13) 2(185,-7159.13) 2(185,-6764.13) 2(185,-6369.13) 2(185,-5974.13) 2(185,-5579.13) 2(185,-5184.13) 2(185,-4789.13) 2(185,-4394.13) 2(185,-3999.13) 2(185,-3604.13) 2(185,-3209.13) 2(185,-2814.13) 2(185,-2419.13) 2(185,-2024.13) 2(185,-1629.13) 2(185,-1234.13) 2(185,-839.13) 2(185,-444.13) 2(185,-49.13) 2(185,345.87) 2(185,740.87) 2(185,1135.87) 2(185,1530.87) 2(185,1925.87) 2(185,2320.87) 2(185,2715.87) 2(185,3110.87) 2(185,3505.87) 2(185,3900.87) 2(185,4295.87) 2(185,4691.3) 2(185,5086.3) 2(185,5481.3) 2(185,5876.3) 2(185,6271.3) 2(185,6666.3) 2(185,7061.3) 2(185,7456.3) 2(565,-7949.57) 2(565,-7554.57) 2(565,-7159.57) 2(565,-6764.57) 2(565,-6369.57) 2(565,-5974.57) 2(565,-5579.57) 2(565,-5184.57) 2(565,-4789.57) 2(565,-4394.57) 2(565,-3999.57) 2(565,-3604.57) 2(565,-3209.57) 2(565,-2814.57) 2(565,-2419.57) 2(565,-2024.57) 2(565,-1629.57) 2(565,-1234.57) 2(565,-839.57) 2(565,-444.57) 2(565,-49.57) 2(565,345.43) 2(565,740.43) 2(565,1135.43) 2(565,1530.43) 2(565,1925.43) 2(565,2320.43) 2(565,2715.43) 2(565,3110.43) 2(565,3505.43) 2(565,3900.43) 2(565,4295.43) 2(565,4690.43) 2(565,5085.43) 2(565,5480.43) 2(565,5875.43) 2(565,6270.43) 2(565,6665.43) 2(565,7060.43) 2(565,7455.43) 2(945,-7949.13) 2(945,-7554.13) 2(945,-7159.13) 2(945,-6764.13) 2(945,-6369.13) 2(945,-5974.13) 2(945,-5579.13) 2(945,-5184.13) 2(945,-4789.13) 2(945,-4394.13) 2(945,-3999.13) 2(945,-3604.13) 2(945,-3209.13) 2(945,-2814.13) 2(945,-2419.13) 2(945,-2024.13) 2(945,-1629.13) 2(945,-1234.13) 2(945,-839.13) 2(945,-444.13) 2(945,-49.13) 2(945,345.87) 2(945,740.87) 2(945,1135.87) 2(945,1530.87) 2(945,1925.87) 2(945,2320.87) 2(945,2715.87) 2(945,3110.87) 2(945,3505.87) 2(945,3900.87) 2(945,4295.87) 2(945,4691.3) 2(945,5086.3) 2(945,5481.3) 2(945,5876.3) 2(945,6271.3) 2(945,6666.3) 2(945,7061.3) 2(945,7456.3) 2(1325,-7949.57) 2(1325,-7554.57) 2(1325,-7159.57) 2(1325,-6764.57) 2(1325,-6369.57) 2(1325,-5974.57) 2(1325,-5579.57) 2(1325,-5184.57) 2(1325,-4789.57) 2(1325,-4394.57) 2(1325,-3999.57) 2(1325,-3604.57) 2(1325,-3209.57) 2(1325,-2814.57) 2(1325,-2419.57) 2(1325,-2024.57) 2(1325,-1629.57) 2(1325,-1234.57) 2(1325,-839.57) 2(1325,-444.57) 2(1325,-49.57) 2(1325,345.43) 2(1325,740.43) 2(1325,1135.43) 2(1325,1530.43) 2(1325,1925.43) 2(1325,2320.43) 2(1325,2715.43) 2(1325,3110.43) 2(1325,3505.43) 2(1325,3900.43) 2(1325,4295.43) 2(1325,4690.43) 2(1325,5085.43) 2(1325,5480.43) 2(1325,5875.43) 2(1325,6270.43) 2(1325,6665.43) 2(1325,7060.43) 2(1325,7455.43) 2(1705,-7949.13) 2(1705,-7554.13) 2(1705,-7159.13) 2(1705,-6764.13) 2(1705,-6369.13) 2(1705,-5974.13) 2(1705,-5579.13) 2(1705,-5184.13) 2(1705,-4789.13) 2(1705,-4394.13) 2(1705,-3999.13) 2(1705,-3604.13) 2(1705,-3209.13) 2(1705,-2814.13) 2(1705,-2419.13) 2(1705,-2024.13) 2(1705,-1629.13) 2(1705,-1234.13) 2(1705,-839.13) 2(1705,-444.13) 2(1705,-49.13) 2(1705,345.87) 2(1705,740.87) 2(1705,1135.87) 2(1705,1530.87) 2(1705,1925.87) 2(1705,2320.87) 2(1705,2715.87) 2(1705,3110.87) 2(1705,3505.87) 2(1705,3900.87) 2(1705,4295.87) 2(1705,4691.3) 2(1705,5086.3) 2(1705,5481.3) 2(1705,5876.3) 2(1705,6271.3) 2(1705,6666.3) 2(1705,7061.3) 2(1705,7456.3) 2(2085,-7949.57) 2(2085,-7554.57) 2(2085,-7159.57) 2(2085,-6764.57) 2(2085,-6369.57) 2(2085,-5974.57) 2(2085,-5579.57) 2(2085,-5184.57) 2(2085,-4789.57) 2(2085,-4394.57) 2(2085,-3999.57) 2(2085,-3604.57) 2(2085,-3209.57) 2(2085,-2814.57) 2(2085,-2419.57) 2(2085,-2024.57) 2(2085,-1629.57) 2(2085,-1234.57) 2(2085,-839.57) 2(2085,-444.57) 2(2085,-49.57) 2(2085,345.43) 2(2085,740.43) 2(2085,1135.43) 2(2085,1530.43) 2(2085,1925.43) 2(2085,2320.43) 2(2085,2715.43) 2(2085,3110.43) 2(2085,3505.43) 2(2085,3900.43) 2(2085,4295.43) 2(2085,4690.43) 2(2085,5085.43) 2(2085,5480.43) 2(2085,5875.43) 2(2085,6270.43) 2(2085,6665.43) 2(2085,7060.43) 2(2085,7455.43) 2(2465,-7949.13) 2(2465,-7554.13) 2(2465,-7159.13) 2(2465,-6764.13) 2(2465,-6369.13) 2(2465,-5974.13) 2(2465,-5579.13) 2(2465,-5184.13) 2(2465,-4789.13) 2(2465,-4394.13) 2(2465,-3999.13) 2(2465,-3604.13) 2(2465,-3209.13) 2(2465,-2814.13) 2(2465,-2419.13) 2(2465,-2024.13) 2(2465,-1629.13) 2(2465,-1234.13) 2(2465,-839.13) 2(2465,-444.13) 2(2465,-49.13) 2(2465,345.87) 2(2465,740.87) 2(2465,1135.87) 2(2465,1530.87) 2(2465,1925.87) 2(2465,2320.87) 2(2465,2715.87) 2(2465,3110.87) 2(2465,3505.87) 2(2465,3900.87) 2(2465,4295.87) 2(2465,4691.3) 2(2465,5086.3) 2(2465,5481.3) 2(2465,5876.3) 2(2465,6271.3) 2(2465,6666.3) 2(2465,7061.3) 2(2465,7456.3) 2(2845,-7949.57) 2(2845,-7554.57) 2(2845,-7159.57) 2(2845,-6764.57) 2(2845,-6369.57) 2(2845,-5974.57) 2(2845,-5579.57) 2(2845,-5184.57) 2(2845,-4789.57) 2(2845,-4394.57) 2(2845,-3999.57) 2(2845,-3604.57) 2(2845,-3209.57) 2(2845,-2814.57) 2(2845,-2419.57) 2(2845,-2024.57) 2(2845,-1629.57) 2(2845,-1234.57) 2(2845,-839.57) 